# Altium PCB iWatch.PcbDoc
Units mm, origin at the board's own origin, x right, y up, seen from the top; angles counter-clockwise.
Board outline 35.25 x 34.75 mm, 2 copper layers (Top Layer, Bottom Layer), stack 1.071 mm thick; 50 components, 65 nets, 257 pads, 67 vias.
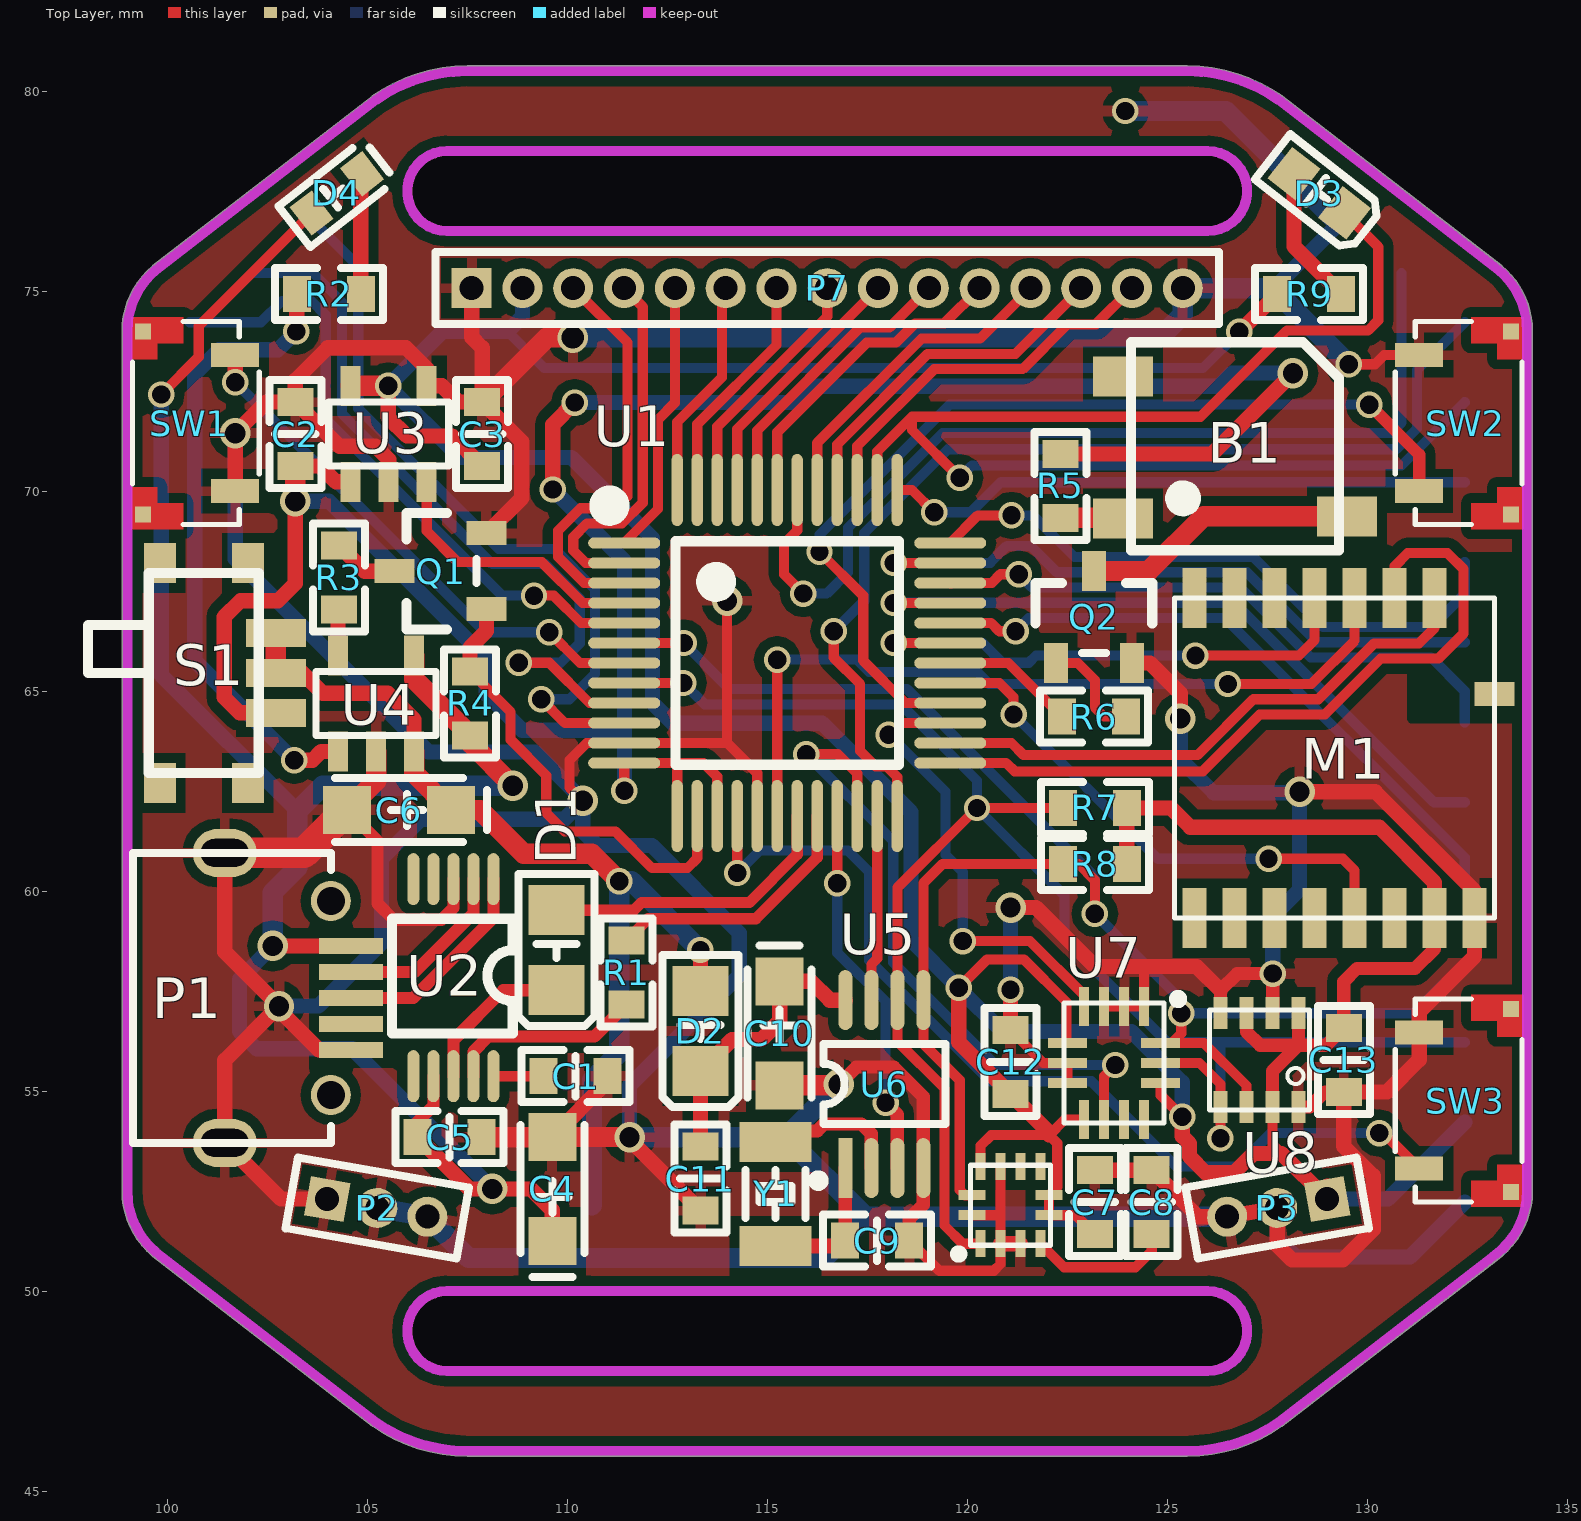
[diagram p0: Top Layer view]
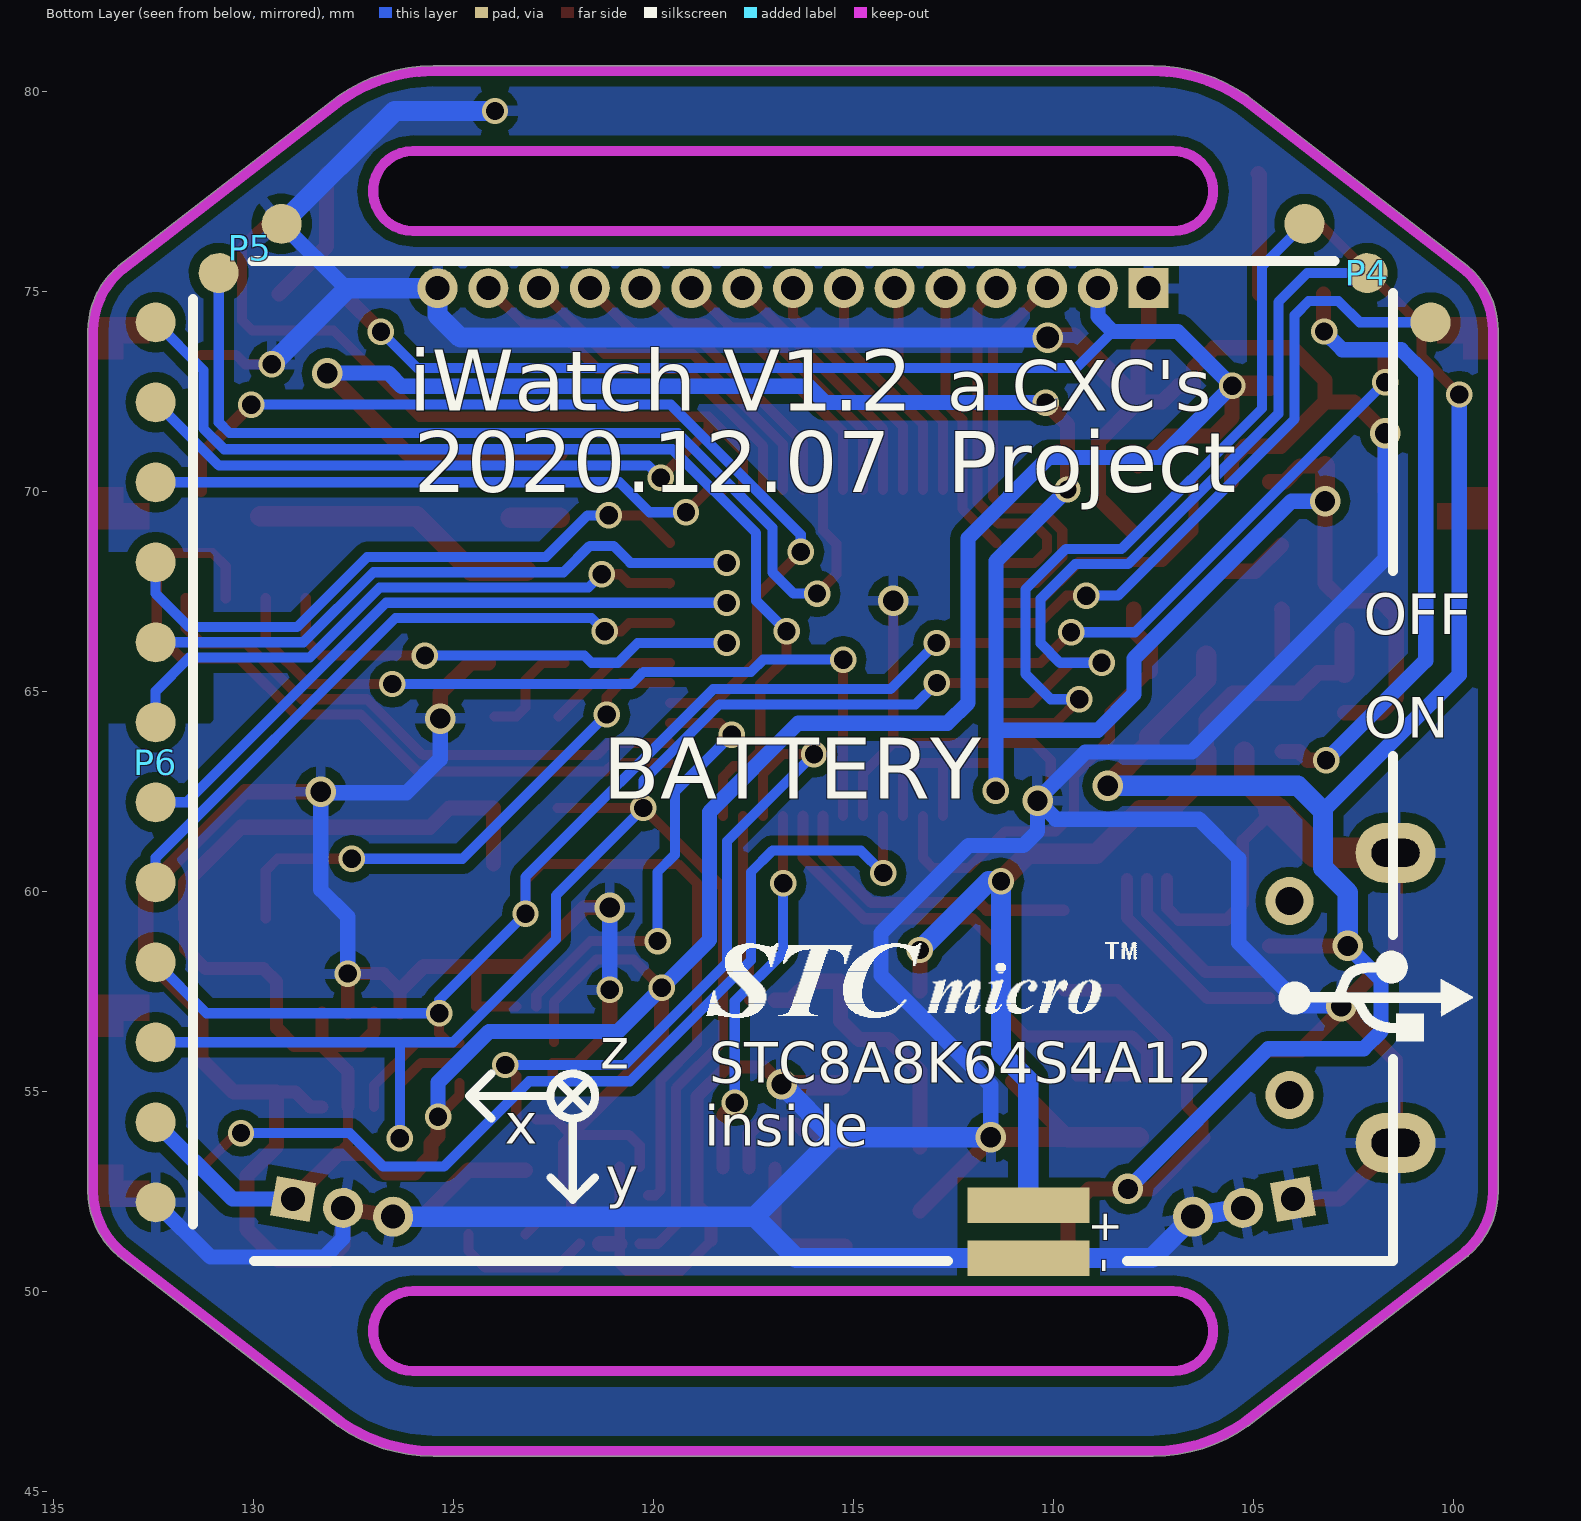
[diagram p1: Bottom Layer view, seen from below]
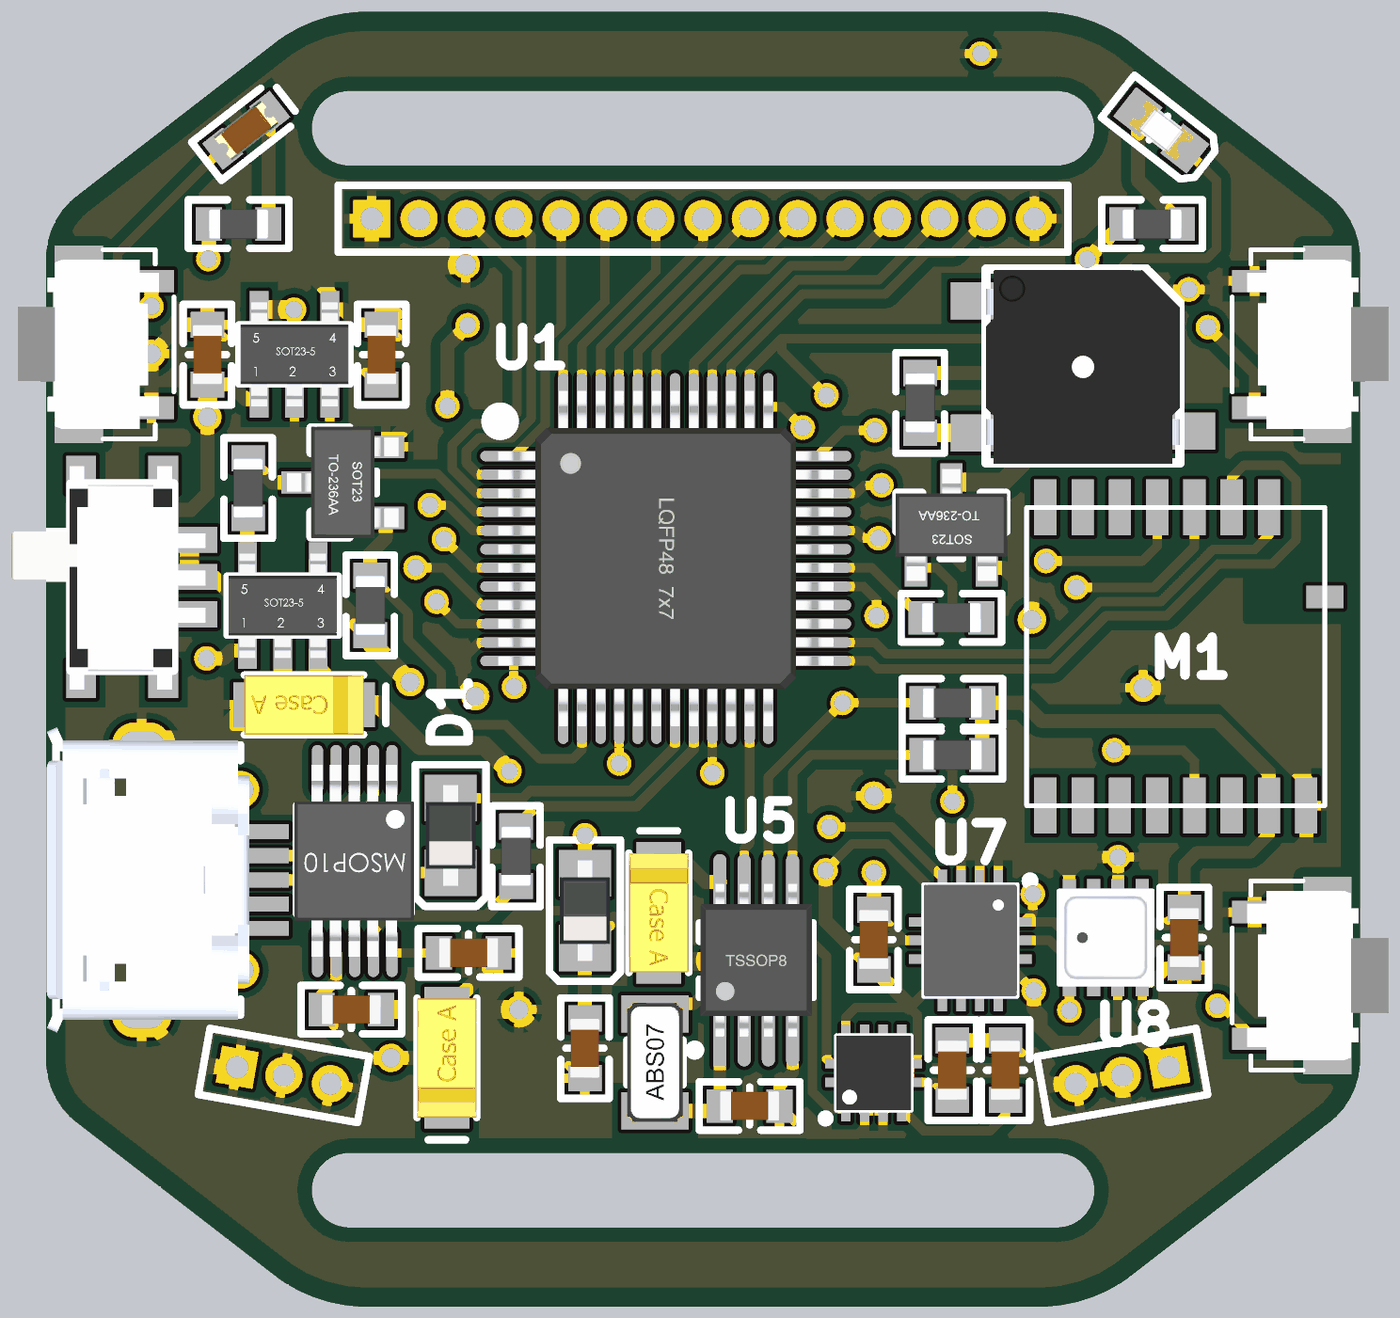
[diagram p2: 3D render of the assembled board from above, using the file's embedded part models]

## Layer stack, top to bottom
Top Solder: solder mask 0.0102, Solder Resist, Dk 3.5
Top Layer: signal copper 0.0356
Dielectric 1: dielectric 1, FR-4, Dk 4.8
Bottom Layer: signal copper 0.0356
Bottom Solder: solder mask 0.0102, Solder Resist, Dk 3.5

## Board outline
99.627,50.875 cw(c101,52.5) 98.873,52.5 98.873,74 cw(c101,74) 99.628,75.626 cw(c99.714,75.532) 99.636,75.632 105.128,79.877 105.128,79.878 cw(c105.206,79.777) 105.133,79.881 cw(c107.5,76.5) 107.5,80.627 125.5,80.627 cw(c125.5,76.5) 127.867,79.881 cw(c127.794,79.777) 127.875,79.875 133.363,75.633 cw(c133.286,75.532) 133.364,75.633 133.363,75.633 133.364,75.633 cw(c133.286,75.532) 133.367,75.63 cw(c132,74) 134.127,74 134.127,52.5 cw(c132,52.5) 133.373,50.875 cw(c133.286,50.968) 133.364,50.867 133.362,50.865 cw(c132,52.5) 133.239,50.77 127.872,46.622 cw(c127.794,46.723) 127.862,46.615 cw(c125.5,50) 125.5,45.873 107.5,45.873 cw(c107.5,50) 105.138,46.615 cw(c105.206,46.723) 105.128,46.622 99.636,50.867 cw(c99.714,50.968)
cut-out: 107,76.5 cw(c107,77.5) 107,78.5 126,78.5 cw(c126,77.5) 126,76.5
cut-out: 107,48 cw(c107,49) 107,50 126,50 cw(c126,49) 126,48

## Design rules (kind name [scope] priority, off if disabled: settings)
Clearance [All] p1: gap=0.254 except(0: SMDPad-Region; 0.127: Track-Track Track-SMDPad SMDPad-SMDPad)
ComponentClearance [All] p1 off: gap=0.254 collisioncheckmode=3 verticalgap=0.254 showdistances=FALSE
PolygonConnect [All] p1: connectstyle=Relief reliefconductorwidth=0.254 reliefentries=4 polygonreliefangle="90 Angle" airgapwidth=0.254
RoutingVias [All] p1: holewidth=0.711 width=1.27 viastyle="Through Hole" minholewidth=0.711 minwidth=1.27 maxholewidth=0.711 maxwidth=1.27
SolderMaskExpansion [All] p1: expansion=0.102
Width [All] p1: maxlimit=0.762 minlimit=0.254 preferedwidth=0.381
29 further rules are at their usual default settings.

## Components (designator, comment, footprint, x,y, rotation, side; value= is the part's Value field where it differs from the comment)
B1 "Buzzer" 蜂鸣器5020 126.695,71.12 r0 top
C1 "0.1uF" C-0603-M 110.211,55.372 r0 top
C2 "1uF" C-0603-M 103.2,71.425 r90 top
C3 "1uF" C-0603-M 107.874,71.425 r90 top
C4 "47uF" C-钽电容-3216-N 109.626,52.553 r270 top
C5 "0.1uF" C-0603-M 107.061,53.848 r0 top
C6 "10uF" C-钽电容-3216-N 105.791,62.027 r0 top
C7 "1uF" C-0603-M 123.19,52.222 r90 top
C8 "0.1uF" C-0603-M 124.612,52.222 r90 top
C9 "15pF" C-0603-M 117.75,51.262 r0 top
C10 "1uF" C-钽电容-3216-N 115.311,56.443 r90 top
C11 "0.1uF" C-0603-M 113.33,52.811 r270 top
C12 "0.1uF" C-0603-M 121.082,55.728 r90 top
C13 "0.1uF" C-0603-M 129.413,55.778 r270 top
D1 "1N4148" SOD-323/0805 109.728,58.522 r90 top
D2 "1N4148" SOD-323/0805 113.33,56.504 r90 top
D3 "LED" LED-0603-white-M 128.798,77.445 r142 top
D4 "LED" LED-0603-Red-N 104.242,77.445 r218 top
M1 "RF-BM-4044B4" RF-BM-4044B4 129.184,63.322 r0 top
P1 "MICRO USB" MICRO-USB-牛角插板-无卷边 104.089,57.328 r90 top
P2 "MHDR1X3" MHDR1X3 104,52.3 r350 top
P3 "MHDR1X3" MHDR1X3 129,52.3 r190 top
P4 "MHDR1X3" MHDR1X3-SMT-2mm 100.564,74.219 r38 bottom
P5 "MHDR1X2" MHDR1X2-SMT-2mm 130.86,75.45 r142 bottom
P6 "MHDR1X12" MHDR1X12-SMT-2MM 132.436,74.219 r270 bottom
P7 "MHDR1X15" MHDR1X15 107.61,75.073 r0 top
Q1 "NMOS" SOT-23 106.832,67.996 r0 top
Q2 "NPN" SOT-23 123.165,66.853 r270 top
R1 "0" R-0603-M 111.481,57.963 r90 top
R2 "1k" R-0603-M 104.038,74.93 r180 top
R3 "2k" R-0603-M 104.292,67.843 r270 top
R4 "4.7k" R-0603-M 107.569,64.694 r270 top
R5 "22" R-0603-M 122.326,70.129 r90 top
R6 "1k" R-0603-M 123.165,64.364 r0 top
R7 "2k" R-0603-M 123.19,62.078 r0 top
R8 "2k" R-0603-M 123.19,60.681 r0 top
R9 "330" R-0603-M 128.549,74.93 r180 top
S1 "SS-12F23" "MK-12C02 - no though hole" 100.914,65.456 r270 top
SW1 "TSW" "SB-2*4*3.5 - no hole" 100.4,71.7 r90 top
SW2 "TSW" "SB-2*4*3.5 - no hole" 132.6,71.7 r270 top
SW3 "TSW" "SB-2*4*3.5 - no hole" 132.6,54.762 r270 top
U1 "STC8A8K64S4A12_LQFP48" "LQFP48 7X7_N" 115.499,65.952 r270 top
U2 "CH340E" MSOP10 108.155,60.3 r270 top
U3 "TPS78233" SOT23-5 104.587,70.231 r0 top
U4 "XT4054" SOT23-5 104.272,63.488 r0 top
U5 "LIS3MDL" LGA-12LD 121.082,52.146 r90 top
U6 "PCF8563" TSSOP8_M 117.928,55.173 r90 top
U7 "LSM6DSM" LGA-14L 123.673,55.702 r270 top
U8 "BME280" LGA-8 127.305,55.778 r270 top
Y1 "32.768khz" FC135 115.21,52.43 r90 top

## Footprints (in the part's own frame and the unit in brackets; to place one, negate y for a bottom-side part, rotate by r counter-clockwise, add the part's x,y. Pads: shape width x height; smd on the part's side, far side on the other; paste and mask are expansions set on the pad)
C-0603-M [mm]
  rect 0.7x0.9 smd: 1(-0.8,0) 2(0.8,0)
  silkscreen extent -1.35,-0.65 1.35,0.65, body extent -0.8,-0.4 0.8,0.4, height 0.6
C-钽电容-3216-N [mm]
  rect 1.2x1.2 smd: 1(1.3,0) 2(-1.3,0)
  silkscreen extent -1.6,-0.8 2.2,0.8, body extent -1.6,-0.8 1.6,0.8, height 1.61
FC135 [mm] "贴片晶振"
  rect 1x1.8 smd: 1(-1.3,0) 2(1.3,0)
  silkscreen extent -0.6,-0.75 0.6,0.75, body extent -1.61,-0.76 1.61,0.76, height 1.01
LED-0603-Red-N [mm]
  rect 0.7x0.9 smd: 1(0.8,0) 2(-0.8,0)
  silkscreen extent -1.35,-0.65 1.35,0.65, body extent -0.81,-0.4 0.81,0.4, height 0.6
LED-0603-white-M [mm]
  rect 0.9x1 smd: 1(0.8,0) 2(-0.8,0)
  silkscreen extent -1.48,-0.72 1.48,0.72, body extent -0.8,-0.4 0.8,0.4, height 0.6
LGA-8 [mm] "2.5mm x 2.5mm x 0.93mm metal lid LGA"
  rect 0.8x0.35 smd: 1(1.175,0.975) 2(1.175,0.325) 3(1.175,-0.325) 4(1.175,-0.975) 5(-1.175,-0.975) 6(-1.175,-0.325) 7(-1.175,0.325) 8(-1.175,0.975)
  silkscreen extent -1.25,-1.25 1.25,1.25, body extent -1.25,-1.25 1.25,1.25, height 0.93
LGA-12LD [mm] "VFLGA 2x2x1 12LD"
  rect 0.675x0.25 smd: 1(-0.962,0.75) 2(-0.962,0.25) 3(-0.962,-0.25) 4(-0.962,-0.75) 7(0.962,-0.75) 8(0.962,-0.25) 9(0.962,0.25) 10(0.962,0.75)
  rect 0.25x0.675 smd: 5(-0.25,-0.962) 6(0.25,-0.962) 11(0.25,0.962) 12(-0.25,0.962)
  silkscreen extent -1.31,-1 1,1.39, body extent -1,-1 1,1, height 1
LGA-14L [mm] "2.5mm x 3.0mm x 0.86mm"
  rect 0.975x0.25 smd: 1(-1.412,0.75) 2(-1.412,0.25) 3(-1.412,-0.25) 4(-1.412,-0.75) 8(1.412,-0.75) 9(1.412,-0.25) 10(1.412,0.25) 11(1.412,0.75)
  rect 0.25x0.975 smd: 5(-0.5,-1.163) 6(0,-1.163) 7(0.5,-1.163) 12(0.5,1.163) 13(0,1.163) 14(-0.5,1.163)
  silkscreen extent -1.7,-1.25 1.5,1.7, body extent -1.5,-1.25 1.5,1.25, height 0.91
"LQFP48 7X7_N" [mm] "48脚，体宽7x7mm，脚距0.5mm"
  oval 0.279x1.8 smd: 1(-2.75,-4.075) 2(-2.25,-4.075) 3(-1.75,-4.075) 4(-1.25,-4.075) 5(-0.75,-4.075) 6(-0.25,-4.075) 7(0.25,-4.075) 8(0.75,-4.075) 9(1.25,-4.075) 10(1.75,-4.075) 11(2.25,-4.075) 12(2.75,-4.075) 25(2.75,4.075) 26(2.25,4.075) 27(1.75,4.075) 28(1.25,4.075) 29(0.75,4.075) 30(0.25,4.075) 31(-0.25,4.075) 32(-0.75,4.075) 33(-1.25,4.075) 34(-1.75,4.075) 35(-2.25,4.075) 36(-2.75,4.075)
  oval 1.8x0.279 smd: 13(4.075,-2.75) 14(4.075,-2.25) 15(4.075,-1.75) 16(4.075,-1.25) 17(4.075,-0.75) 18(4.075,-0.25) 19(4.075,0.25) 20(4.075,0.75) 21(4.075,1.25) 22(4.075,1.75) 23(4.075,2.25) 24(4.075,2.75) 37(-4.075,2.75) 38(-4.075,2.25) 39(-4.075,1.75) 40(-4.075,1.25) 41(-4.075,0.75) 42(-4.075,0.25) 43(-4.075,-0.25) 44(-4.075,-0.75) 45(-4.075,-1.25) 46(-4.075,-1.75) 47(-4.075,-2.25) 48(-4.075,-2.75)
  silkscreen extent -3.93,-4.69 2.79,2.79, body extent -4.5,-4.5 4.5,4.5, height 1.45
MHDR1X2-SMT-2mm [mm] "Connector; Header; 2 Position"
  round 1 smd: 1(0,0) 2(2,0)
MHDR1X3 [mm] "Connector; Header; 3 Position"
  rect 1x1 hole 0.6: 1(0,0)
  round 1 hole 0.6: 2(1.27,0) 3(2.54,0)
  silkscreen extent -0.9,-0.9 3.44,0.9
MHDR1X3-SMT-2mm [mm] "Connector; Header; 3 Position"
  round 1 smd: 1(0,0) 2(2,0) 3(4,0)
MHDR1X12-SMT-2MM [mm] "Connector; Header; 12 Position"
  round 1 smd: 1(0,0) 2(2,0) 3(4,0) 4(6,0) 5(8,0) 6(10,0) 7(12,0) 8(14,0) 9(16,0) 10(18,0) 11(20,0) 12(22,0)
MHDR1X15 [mm] "Connector; Header; 15 Position"
  rect 1x1 hole 0.6: 1(0,0)
  round 1 hole 0.6: 2(1.27,0) 3(2.54,0) 4(3.81,0) 5(5.08,0) 6(6.35,0) 7(7.62,0) 8(8.89,0) 9(10.16,0) 10(11.43,0) 11(12.7,0) 12(13.97,0) 13(15.24,0) 14(16.51,0) 15(17.78,0)
  silkscreen extent -0.9,-0.9 18.68,0.9
MICRO-USB-牛角插板-无卷边 [mm]
  rect 0.4x1.6 smd: 1(1.3,-0.5) 2(0.65,-0.5) 3(0,-0.5) 4(-0.65,-0.5) 5(-1.3,-0.5)
  oval 1.2x1.6 / inner oval 1.5x2 / far side oval 1.5x2 hole 0.7 slot 1.2 at 90 deg: 6(-3.625,2.65) 6(3.625,2.65)
  round 1 / inner round 1 / far side round 1.2 hole 0.7: 6(-2.425,0) 6(2.425,0)
  silkscreen extent -3.62,0 3.62,4.95, body extent -4.1,-0.23 4.1,5.2, height 2.68
"MK-12C02 - no though hole" [mm] "七脚小拨动开关"
  rect 1x0.8 smd: 0(-2.75,1.1) 0(-2.75,-1.1) 0(2.75,1.1) 0(2.75,-1.1)
  rect 0.7x1.5 smd: 1(1,1.8) 2(0,1.8) 3(-1,1.8)
  silkscreen extent -2.5,-2.9 2.5,1.38, body extent -2.97,-2.96 3.03,2.24, height 1.4
MSOP10 [mm] "VSOP8"
  oval 1.3x0.3 smd: 1(0,0) 2(0,-0.5) 3(0,-1) 4(0,-1.5) 5(0,-2) 6(4.928,-2) 7(4.928,-1.5) 8(4.928,-1) 9(4.928,-0.5) 10(4.928,0)
  silkscreen extent 0.99,-2.54 3.86,0.48, body extent -0.11,-2.62 5.04,0.58, height 1.09
R-0603-M [mm]
  rect 0.7x0.9 smd: 1(-0.8,0) 2(0.8,0)
  silkscreen extent -1.35,-0.65 1.35,0.65, body extent -0.8,-0.4 0.8,0.4, height 0.38
RF-BM-4044B4 [mm] "低功耗蓝牙(BLE)射频模块"
  rect 0.6x1.5 smd: 1(2.5,4) 2(1.5,4) 3(0.5,4) 4(-0.5,4) 5(-1.5,4) 6(-2.5,4) 7(-3.5,4) 8(-3.5,-4) 9(-2.5,-4) 10(-1.5,-4) 11(-0.5,-4) 12(0.5,-4) 13(1.5,-4) 14(2.5,-4) 15(3.5,-4)
  rect 1x0.6 smd: 16(4,1.6)
  silkscreen extent -4,-4 4,4
"SB-2*4*3.5 - no hole" [mm] "贴片侧贴轻触开关"
  rect 0.4x0.4 smd: 0(-2.286,1) 0(2.286,1)
  rect 0.6x1.2 smd: 1(-1.7,-1.3) 2(1.7,-1.3)
  Top Layer region: -2.65,0 -2.65,1.3 -1.6,1.3 -1.6,0.65 -2,0.65 -2,0
  Top Layer region: 2.65,0 2.65,1.3 1.6,1.3 1.6,0.65 2,0.65 2,0
  silkscreen extent -2.54,-1.9 2.54,1.27, body extent -2.27,-1.5 2.27,2.29, height 1.8
SOD-323/0805 [mm]
  rect 1.25x1.4 smd: 1(1,0) 2(-1,0)
  silkscreen extent -1.9,-0.95 1.9,0.95, body extent -1.35,-0.68 1.35,0.67, height 0.79
SOT23-5 [mm]
  rect 0.5x1 smd: 1(0,0) 2(0.95,0) 3(1.9,0) 4(1.9,2.4) 5(0,2.4)
  silkscreen extent -0.55,0.4 2.45,2, body extent -0.5,-0.2 2.4,2.6, height 1.09
SOT-23 [mm]
  rect 1x0.6 smd: 1(1.15,-0.95) 2(1.15,0.95) 3(-1.15,0)
  silkscreen extent -0.85,-1.46 0.9,1.46, body extent -1.5,-1.5 1.5,1.5, height 1.3
TSSOP8_M [mm] "3*4.2*1mm（长宽高）"
  rect 1.5x0.35 smd: 1(-2.1,0.975)
  oval 1.5x0.35 smd: 2(-2.1,0.325) 3(-2.1,-0.325) 4(-2.1,-0.975) 5(2.1,-0.975) 6(2.1,-0.325) 7(2.1,0.325) 8(2.1,0.975)
  silkscreen extent -2.54,-1.52 1,1.78, body extent -2.05,-1.5 2.05,1.5, height 1.03
蜂鸣器5020 [mm] "无源蜂鸣器"
  rect 1.5x1 smd: 1(-2.8,-1.8) 2(2.8,-1.75) 3(-2.8,1.75)
  silkscreen extent -2.6,-2.6 2.6,2.6, body extent -2.6,-2.63 2.6,2.57, height 2

## Part data
B1: "蜂鸣器"
C1 C2 C3 C5 C7 C8 C9 C11 C12 C13: library part Cap, "陶瓷电容"
C4 C6 C10: library part Cap2, "电解电容"
D1 D2: "高速开关二极管"
D3 D4: "Typical RED, GREEN, YELLOW, AMBER GaAs LED"
M1: "基于TI公司 CC2640R2F 芯片的低功耗蓝牙(BLE)射频模块"
P1: library part MICRO_USB, "MICRO USB接口"
P2 P3 P4: "Header, 3-Pin"
P5: "Header, 2-Pin"
P6: "Header, 12-Pin"
P7: "Header, 15-Pin"
Q1: "N沟道场效应管"
Q2: "NPN Bipolar Transistor"
R1 R2 R3 R4 R5 R6 R7 R8 R9: library part Resistor, "Resistor"
S1: library part SSW-1P, "1路波动开关"
SW1 SW2 SW3: "3x6轻触开关"
U2: "USB转串口，免外部晶振，超小封装"
U3: "LDO-3.3v"
U4: "锂电池充电ic"
U5: "ultra-low-power high-performance three-axis magnetic sensor"
U6: library part PCF8563TS, "Real-Time Clock and calendar"
U7: "always-on 3D accelerometer and 3D gyroscope"
U8: "Combined humidity and pressure sensor"
Y1: library part XTAL, "Crystal Oscillator"

## Free pads (board coordinates)
  rect 3.048x0.889 smd far side: 2(110.617,50.825) 2(110.617,52.146)

## Via types
v1: diameter 0.66, hole 0.457, Top Layer to Bottom Layer, 52 vias
v2: diameter 0.762, hole 0.508, Top Layer to Bottom Layer, 14 vias
v3: diameter 0.762, hole 0.559, Top Layer to Bottom Layer, 1 vias

## Nets (pads, with @x,y where several pads share a name; then routed paths per layer and width w, separated by ;. In a path a pad name is that pad's centre, name@x,y a point inside that pad or via, vN(x,y) a via of type N, cw(c..) or ccw(c..) an arc to the next point about the centre after c; other vN are vias at no path point)
3V3: C3.1 C7.1 C12.1 C13.1 M1.14 P3.1 P6.11 P7.2 R7.2 R8.2 R9.2 U3.5 U5.5 U5.6 U5.10 U7.5 U7.8 U7.12 U8.2 U8.6 U8.8 | length 111.3
  Top Layer w0.254: v1(119.786,57.582) 120.498,58.293 121.412,58.293 122.48,57.225 U7.5@122.48,56.232 ; U5.10 120.332,53.631 120.599,53.899 122.047,53.899 ; U7.8 122.438,54.29 122.047,53.899 ; C7.1 122.716,51.896 U5.5 U5.6 122.25,52.602 122.25,53.696 122.047,53.899 ; U7.12 124.836,54.895 v1(125.374,54.356) ; U8.2 127.63,53.67 127.858,53.442
  Top Layer w0.33: U8.6 126.98,56.484 127.32,56.144 128.28,56.144 ; U8.2 127.63,55.494 128.28,56.144 ; U8.8 128.28,56.144 ; M1.14 131.684,58.558 131.191,58.064 129.743,58.064 129.413,57.734 C13.1 128.978,56.144 128.28,56.144
  Top Layer w0.381: v1(105.524,72.631) 105.524,71.844 105.994,71.374 107.125,71.374 C3.1 ; v1(119.786,57.582) 119.786,56.223 C12.1 122.047,53.962 122.047,53.899 ; R8.2 R7.2 125.095,62.078 125.578,61.595 130.302,61.595 131.684,60.213 M1.14 ; v1(125.374,54.356) 125.374,53.873 125.555,53.693 125.555,53.362 125.959,52.959 126.67,52.959 127.152,53.442 127.858,53.442 P3.1 P3.1@129,52.625 ; v1(126.803,73.984) R9.2
  Top Layer w0.508: U3.5 v1(105.524,72.631)
  Bottom Layer w0.254: 108.509,73.99 109.423,73.076 125.895,73.076 v1(126.803,73.984)
  Bottom Layer w0.381: P7.2 108.88,74.361 108.509,73.99 106.883,73.99 v1(105.524,72.631) 107.315,70.84 110.109,70.84 112.129,68.821 112.129,64.706 112.636,64.198 116.37,64.198 118.593,61.976 118.593,58.776 v1(119.786,57.582) 120.879,56.49 124.104,56.49 125.374,55.22 v1(125.374,54.356) ; P3.1 130.517,52.3 P6.11
3V3-EN: U1.4 U3.3 | length 6.9
  Top Layer w0.254: U3.3 106.487,69.002 107.264,68.224 109.362,68.224 110.384,67.202 U1.4
BUZZER: R6.1 U1.30 | length 3.3
  Top Layer w0.254: U1.30 121.026,65.702 R6.1
CHARGE-EN: Q1.1 R4.1 U1.14 | length 11.6
  Top Layer w0.254: R4.1 108.585,64.478 108.585,63.779 109.474,62.89 109.474,61.951 109.931,61.493 111.201,61.493 112.116,60.579 113.005,60.579 113.249,60.824 U1.14
  Top Layer w0.381: R4.1 107.569,66.091 107.982,66.504 Q1.1
D0: P7.14 U1.39 | length 9.6
  Top Layer w0.254: U1.39 117.249,71.127 119.171,73.049 121.385,73.049 122.504,74.168 123.215,74.168 P7.14
D1: P7.13 U1.40 | length 8.9
  Top Layer w0.254: U1.40 116.749,71.166 119.013,73.43 121.207,73.43 P7.13
D2: P7.12 U1.41 | length 8.1
  Top Layer w0.254: U1.41 116.249,71.205 118.856,73.811 120.318,73.811 P7.12
D3: P7.11 U1.43 | length 8
  Top Layer w0.254: U1.43 115.249,71.475 117.485,73.711 118.217,73.711 118.698,74.192 119.429,74.192 P7.11
D4: P7.10 U1.44 | length 7.3
  Top Layer w0.254: U1.44 114.749,71.513 117.328,74.092 118.059,74.092 P7.10
D5: P7.9 U1.45 | length 6.5
  Top Layer w0.254: U1.45 114.249,71.552 P7.9
D6: P7.8 U1.46 | length 6.2
  Top Layer w0.254: U1.46 113.749,71.611 116.5,74.361 P7.8
D7: P7.7 U1.47 | length 5.9
  Top Layer w0.254: U1.47 113.249,71.669 115.23,73.65 P7.7
D/C\: P7.4 U1.2 | length 9.4
  Top Layer w0.254: P7.4 111.887,74.606 111.887,69.708 111.368,69.19 110.49,69.19 110.15,68.85 110.15,68.514 110.461,68.202 U1.2
E/R\D\: P7.6 U1.48 | length 5.4
  Top Layer w0.254: U1.48 112.749,71.728 113.868,72.847 P7.6@113.868,74.93
E\N\: M1.12 U1.29 | length 13.5
  Top Layer w0.254: U1.29 120.802,65.202 121.158,64.846 v1(121.158,64.414) ; v1(127.533,60.808) 129.388,60.808 129.684,60.511 M1.12
  Bottom Layer w0.254: v1(121.158,64.414) 124.765,60.808 v1(127.533,60.808)
GND: C1.2 C2.2 C3.2 C4.2 C5.2 C6.2 C7.2 C8.2 C9.2 C10.2 C11.2 C12.2 C13.2 M1.15 P1.5 P1.6@101.439,53.703 P1.6@101.439,60.953 P2.1 P2.2 P2.3 P3.2 P3.3 P5.2 P6.12 P7.1 P7.15 pad.2@110.617,50.825 Q1.2 Q2.2 SW1.1 SW2.1 SW3.1 U1.11 U1.17 U2.3 U3.2 U3.4 U4.2 U5.2 U5.3 U5.9 U5.12 U6.4 U7.1 U7.2 U7.3 U7.6 U7.7 U8.1 U8.5 U8.7 | length 241.1
  Top Layer w0.254: v2(110.388,62.255) 110.058,62.586 110.058,63.271 110.489,63.702 U1.11 113.996,63.702 ; v2(113.996,67.259) 113.996,63.702 ; U1.17 114.749,62.949 113.996,63.702 ; C9.2 119.303,50.508 120.663,50.508 120.832,50.677 U5.2 120.832,51.896 ; U5.12 120.832,51.896 ; U5.9 120.832,51.896 ; C12.2 121.907,55.702 U7.6 U7.7 ; U7.3 U7.2 U7.1 124.423,58.115 ; v1(129.534,73.172) 130.195,73.172 130.423,73.4 SW2.1
  Top Layer w0.305: C6.2 105.258,61.26 105.258,59.69 105.664,59.284 106.858,59.284 107.155,59.58 U2.3
  Top Layer w0.33: v2@116.764,55.143 v2(116.789,55.169) 117.221,55.601 118.161,55.601 118.903,54.859 U6.4 118.903,52.161 118.55,51.808 C9.2 ; U8.5 126.33,57.521 126.746,57.937 v1(127.635,57.937) U8.7@127.635,56.959 ; U8.1 128.568,54.603 128.943,54.978 C13.2
  Top Layer w0.381: P1.6@101.439,60.953 101.439,58.479 v2(102.794,57.125) ; SW1.1 v2(101.7,71.449) 102.476,72.225 C2.2 ; P2.1 102.842,52.3 101.439,53.703 101.439,55.77 v2(102.794,57.125) ; P1.5 103.79,56.028 102.794,57.024 v2(102.794,57.125) ; U3.2 105.537,70.79 105.207,71.12 104.305,71.12 C2.2 ; P7.1 107.61,73.848 107.874,73.584 C3.2 ; Q1.2 108.864,69.828 108.864,71.234 C3.2 ; C4.2@109.622,53.848 C4.2 C1.2@111.011,55.237 ; v2@111.557,53.785 C11.2 ; U5.2 U5.3 ; C12.2 v1(121.082,57.531) ; v2(121.082,59.588) 121.717,59.588 123.19,58.115 124.423,58.115 125.736,58.115 126.33,57.521 ; C7.2 C8.2 125.776,51.859 P3.3 P3.2 127.749,51.143 128.118,50.775 129.388,50.775 130.15,51.537 130.15,52.883 129.413,53.619 C13.2 130.493,54.978 131.3,55.786 SW3.1 131.3,56.98 132.684,58.364 M1.15 132.684,60 130.2,62.484 v2(128.308,62.484) ; Q2.2 124.569,65.703 125.324,64.948 v2(125.324,64.313) ; C2.2 103.2,72.771 104.013,73.584 105.969,73.584 106.487,73.066 U3.4 106.871,72.631 107.277,72.225 C3.2
  Top Layer w0.508: C6.2 105.222,62.758 U4.2 ; C5.2 C4.2@109.622,53.848 ; C3.2 109.487,73.838 v3(110.134,73.838) ; C4.2 v2@111.557,53.853 ; C10.2 v2@116.764,55.143
  Top Layer w0.762: P1.6@101.439,60.953 103.417,60.953 C6.2
  Bottom Layer w0.381: v2(101.7,71.449) 101.7,68.302 106.528,63.475 109.194,63.475 110.388,62.28 v2(110.388,62.255) ; v2(102.794,57.125) 103.784,57.125 105.359,58.699 105.359,60.808 106.35,61.798 109.931,61.798 v2(110.388,62.255) ; v2(111.557,53.848) 111.557,55.143 114.3,57.887 114.3,58.953 112.116,61.138 110.744,61.138 110.388,61.493 v2(110.388,62.255) ; v1(121.082,57.531) v2(121.082,59.588) ; v2(125.324,64.313) 125.324,63.297 126.162,62.459 128.283,62.459 v2(128.308,62.484) 128.308,60.033 127.635,59.36 v1(127.635,57.937) ; 127.633,75.073 127.676,75.073 P5.2 ; P3.2 127.749,51.321 128.219,50.851 131.068,50.851 P6.12
  Bottom Layer w0.508: P2.2 P2.3 107.535,50.825 110.617,50.825 116.424,50.825 117.457,51.859 ; v3(110.134,73.838) 124.816,73.838 125.39,74.412 P7.15 127.633,75.073 v1(129.534,73.172) ; v2(111.557,53.848) 115.468,53.848 ; v2(116.789,55.169) 115.468,53.848 ; v1(123.952,79.502) 126.463,79.502 P5.2 ; P3.3 117.457,51.859 ; 115.468,53.848 117.457,51.859
INT0: U1.21 U6.3 | length 9.5
  Top Layer w0.254: v1(116.749,60.198) U1.21
  Top Layer w0.33: v1@117.958,54.635 v1(117.958,54.712) 118.253,54.417 U6.3
  Bottom Layer w0.254: v1(116.749,60.198) 116.749,58.46 117.958,57.252 v1(117.958,54.712)
INT1: U1.22 U7.9 | length 16.7
  Top Layer w0.254: v1(115.976,63.424) 116.764,63.424 117.249,62.938 U1.22 ; U7.9 123.423,55.376 v1(123.698,55.651)
  Bottom Layer w0.254: v1(115.976,63.424) 118.148,61.252 118.148,58.214 120.711,55.651 v1(123.698,55.651)
INT2: U1.27 U7.4 | length 11.5
  Top Layer w0.254: v1(118.034,63.906) 118.33,64.202 U1.27 ; v1(119.888,58.75) 121.564,58.75 122.923,57.392 U7.4
  Bottom Layer w0.254: v1(118.034,63.906) 119.456,62.484 119.456,60.909 119.888,60.477 v1(119.888,58.75)
KEY1: SW1.2 U1.7 | length 13.3
  Top Layer w0.254: v1(109.55,66.472) 110.32,65.702 U1.7
  Top Layer w0.381: v1(101.7,72.722) SW1.2
  Bottom Layer w0.254: v1(101.7,72.722) 107.95,66.472 v1(109.55,66.472)
KEY2: SW2.2 U1.28 | length 24
  Top Layer w0.254: v1(116.307,68.478) 117.399,67.386 117.399,65.761 118.457,64.702 U1.28
  Top Layer w0.305: v1(130.048,72.161) 131.3,70.909 SW2.2
  Bottom Layer w0.254: v1(116.307,68.478) 116.307,68.911 119.557,72.161 v1(130.048,72.161)
KEY3: SW3.2 U1.16 | length 24
  Top Layer w0.254: v1(114.249,60.452) U1.16 ; v1(130.302,53.95) 130.413,53.95 SW3.2
  Bottom Layer w0.254: v1(114.249,60.452) 114.808,61.011 117.018,61.011 117.551,60.477 117.551,58.272 120.579,55.245 123.099,55.245 125.232,53.111 126.746,53.111 127.584,53.95 v1(130.302,53.95)
NetB1_1: B1.1 R5.1 | length 1.2
  Top Layer w0.381: B1.1@123.561,69.329 B1.1@123.57,69.32
  Top Layer w0.508: R5.1 B1.1@123.561,69.329
NetB1_2: B1.2 Q2.3 | length 7.2
  Top Layer w0.508: Q2.3 124.543,68.003 125.91,69.37 B1.2 B1.2@129.82,69.37
NetC1_1: C1.1 U2.10 | length 1.3
  Top Layer w0.254: U2.10 C1.1
NetC8_1: C8.1 U5.4 | length 3.6
  Top Layer w0.254: U5.4 122.419,50.597 124.206,50.597 124.612,51.003 C8.1
NetC9_1: C9.1 U6.1 Y1.1 | length 3.6
  Top Layer w0.33: C9.1@116.953,51.265 U6.1
  Top Layer w0.381: Y1.1 116.818,51.13 C9.1 C9.1@116.953,51.265
NetC10_1: C10.1 C11.1 D2.2 U6.8 | length 7.2
  Top Layer w0.381: C11.1 D2.2 114.118,56.291 114.854,56.291 115.311,56.748 C10.1 116.094,57.743 116.564,57.273 U6.8
NetD3_1: D3.1 R9.1 | length 3.5
  Top Layer w0.381: D3.1 128.168,76.112 R9.1
NetD4_2: D4.2 R2.1 | length 3
  Top Layer w0.381: R2.1 104.838,77.904 D4.2
NetP1_2: P1.2 U2.2 | length 4.5
  Top Layer w0.305: P1.2 106.187,57.978 107.655,59.445 U2.2
NetP1_3: P1.3 U2.1 | length 5.4
  Top Layer w0.305: P1.3 106.148,57.328 108.155,59.335 U2.1
NetQ1_3: Q1.3 R3.1 | length 1.7
  Top Layer w0.381: R3.1 104.94,67.996 Q1.3
NetQ2_1: Q2.1 R6.2 | length 2.7
  Top Layer w0.254: Q2.1 122.765,65.703 123.19,65.278 123.19,64.592 123.419,64.364 R6.2
NetR2_2: R2.2 U4.1 | length 15.8
  Top Layer w0.381: v1(103.175,63.271) 103.632,63.271 103.848,63.488 U4.1 ; v1@103.238,74.003 R2.2
  Bottom Layer w0.381: v1(103.175,63.271) 100.686,65.761 100.686,72.923 101.295,73.533 102.768,73.533 v1(103.226,73.99)
NetR3_2: R3.2 U4.5 | length 1.2
  Top Layer w0.381: U4.5 104.272,67.023 R3.2
NetU6_2: U6.2 Y1.2 | length 3.5
  Top Layer w0.33: Y1.2@115.794,54.005 116.251,54.005 116.424,54.178 117.355,54.178 117.603,53.931 U6.2
  Top Layer w0.381: Y1.2 Y1.2@115.849,53.73
P13: P4.1 U1.5 | length 15.9
  Top Layer w0.254: v1(109.169,67.386) 109.661,67.386 110.345,66.702 U1.5
  Bottom Layer w0.254: P4.1 102.337,74.219 102.87,74.752 103.607,74.752 103.962,74.397 103.962,71.8 108.376,67.386 v1(109.169,67.386)
P16: P4.2 U1.9 | length 19.1
  Top Layer w0.254: v1(108.788,65.71) 109.55,65.71 110.558,64.702 U1.9
  Bottom Layer w0.254: P4.2 103.645,75.45 104.369,74.727 104.369,71.933 108.128,68.174 109.449,68.174 110.312,67.31 110.312,66.192 109.83,65.71 v1(108.788,65.71)
P17: P4.3 U1.10 | length 18.9
  Top Layer w0.254: v1(109.347,64.795) 109.94,64.202 U1.10
  Bottom Layer w0.254: P4.3 104.775,75.623 104.775,72.065 108.286,68.555 109.677,68.555 110.693,67.539 110.693,65.43 110.058,64.795 v1(109.347,64.795)
P21: P6.8 U1.32 | length 16.2
  Top Layer w0.254: U1.32 120.597,66.702 120.802,66.497 v1(121.209,66.497)
  Bottom Layer w0.254: v1(121.209,66.497) 121.539,66.827 126.441,66.827 132.436,60.833 P6.8
P22: P6.7 U1.33 | length 17.8
  Top Layer w0.254: v1(118.161,67.202) U1.33
  Bottom Layer w0.254: v1(118.161,67.202) 118.167,67.208 126.675,67.208 131.665,62.219 P6.7
P23: P6.6 U1.34 | length 15
  Top Layer w0.254: U1.34@119.586,67.691 U1.34 120.611,67.702 120.828,67.92 v1(121.285,67.92)
  Bottom Layer w0.254: v1(121.285,67.92) 121.615,67.589 126.833,67.589 128.585,65.838 131.596,65.838 132.436,64.999 P6.6
P24: P6.5 U1.35 | length 16.9
  Top Layer w0.254: v1(118.161,68.202) U1.35
  Bottom Layer w0.254: v1(118.161,68.202) 120.574,68.202 120.574,68.214 120.99,68.631 121.58,68.631 122.24,67.97 126.991,67.97 128.742,66.219 P6.5
P25: P6.4 U1.36 | length 15.4
  Top Layer w0.254: U1.36 120.265,69.393 v1(121.107,69.393)
  Bottom Layer w0.254: v1(121.107,69.393) 121.641,69.393 122.682,68.351 127.149,68.351 128.9,66.6 131.598,66.6 132.436,67.437 P6.4
P26: P6.3 U1.37 | length 14.7
  Top Layer w0.254: U1.37 118.618,70.028 v1(119.177,69.469)
  Bottom Layer w0.254: v1(119.177,69.469) 120.091,69.469 120.841,70.219 P6.3
P27: D3.2 P6.2 U1.38 | length 33.3
  Top Layer w0.254: U1.38 117.749,70.988 118.618,71.857 ; v1(119.812,70.333) 118.618,71.526 118.618,71.857 ; D3.2 130.277,76.104 130.277,74.27 130.023,74.016 127.991,74.016 125.832,71.857 118.618,71.857
  Bottom Layer w0.254: v1(119.812,70.333) 120.117,70.637 130.854,70.637 P6.2
P35: P6.1 U1.24 | length 26.3
  Top Layer w0.254: v1(116.662,66.497) 116.662,65.837 117.323,65.176 117.323,63.5 117.704,63.119 117.983,63.119 118.249,62.853 U1.24
  Bottom Layer w0.254: v1(116.662,66.497) 117.424,67.259 117.424,68.951 119.517,71.044 130.722,71.044 131.242,71.564 131.242,73.025 P6.1
P40: M1.3 U1.18 | length 20.1
  Top Layer w0.254: U1.18 v1(115.249,65.786) ; v1(126.517,65.176) 128.6,65.176 129.684,66.261 M1.3
  Bottom Layer w0.254: v1(115.249,65.786) 117.246,65.786 117.551,65.481 120.244,65.481 120.548,65.176 v1(126.517,65.176)
P42: M1.4 U1.31 | length 13.4
  Top Layer w0.254: v1(118.161,66.202) U1.31 ; v1(125.705,65.888) 128.295,65.888 128.684,66.277 M1.4
  Bottom Layer w0.254: v1(118.161,66.202) 120.386,66.202 120.879,65.71 121.539,65.71 121.717,65.888 v1(125.705,65.888)
P43: P5.1 U1.42 | length 24
  Top Layer w0.254: U1.42 115.749,69.013 115.418,68.682 115.418,67.92 v1(115.9,67.437)
  Bottom Layer w0.254: v1(115.9,67.437) 116.484,67.437 117.018,67.97 117.018,69.083 119.385,71.45 130.589,71.45 130.86,71.721 P5.1
R/W\: P7.5 U1.1 | length 6.9
  Top Layer w0.254: U1.1@111.42,68.702 112.268,69.55 112.268,71.786 112.69,72.208 P7.5
R\E\S\: P7.3 U1.3 | length 10.4
  Top Layer w0.254: P7.3 111.506,73.717 111.506,69.866 111.211,69.571 110.332,69.571 109.769,69.007 109.769,68.356 110.422,67.702 U1.3
RX: D1.2 U2.8 | length 4
  Top Layer w0.305: U2.8 107.155,56.278 108.398,57.522 D1.2
RXD: D1.1 U1.19 | length 7.6
  Top Layer w0.279: D1.1 111.665,59.522 111.858,59.715 114.554,59.715 115.749,60.911 U1.19
RXD3: M1.2 U1.25 | length 18.8
  Top Layer w0.254: U1.25 120.973,63.202 121.183,62.992 125.888,62.992 127.31,64.414 128.936,64.414 130.333,65.811 131.775,65.811 132.41,66.446 132.41,68.047 132.004,68.453 131.013,68.453 130.684,68.124 M1.2
SCL: P6.10 R7.1 U1.8 U5.1 U6.6 U7.13 U8.4 | length 46.2
  Top Layer w0.254: U1.8 v1(112.904,65.202) ; U5.1 119.885,51.184 119.431,51.638 119.431,55.067 118.253,56.245 U6.6 118.253,60.087 v1(120.244,62.078) R7.1 ; U7.13 125.806,55.702 126.33,55.179 U8.4 v1(126.33,53.823)
  Bottom Layer w0.254: v1(112.904,65.202) 113.438,64.668 118.339,64.668 120.244,62.763 v1(120.244,62.078) 122.428,59.893 122.428,58.795 125.004,56.219 126.33,56.219 ; v1(126.33,53.823) 126.33,56.219 ; P6.10 126.33,56.219
SDA: P6.9 R8.1 U1.6 U5.11 U6.5 U7.14 U8.3 | length 44
  Top Layer w0.254: U1.6 v1(112.913,66.202) ; U5.11 119.943,52.396 119.812,52.527 119.812,55.27 118.903,56.18 U6.5 118.903,60.198 119.385,60.681 R8.1 122.784,60.681 123.19,60.274 v1(123.19,59.436) ; U7.14 U7.14@125.112,56.202 ; v1(125.349,56.947) 125.349,56.439 U7.14@125.112,56.202 ; U8.3 126.98,55.138 125.916,56.202 U7.14@125.112,56.202
  Bottom Layer w0.254: v1(112.913,66.202) 114.066,65.049 118.496,65.049 123.19,60.356 v1(123.19,59.436) 125.349,57.277 v1(125.349,56.947) 131.164,56.947 P6.9
T0: U1.23 U6.7 | length 4.7
  Top Layer w0.254: U6.7 117.603,58.167 117.749,58.313 U1.23
TX: R1.1 U2.9 | length 4.9
  Top Layer w0.305: U2.9 107.655,55.991 108.026,56.363 110.68,56.363 R1.1
TXD: R1.2 U1.20 | length 6.7
  Top Layer w0.279: R1.2 112.027,59.309 114.722,59.309 116.249,60.836 U1.20
TXD3: M1.1 U1.26 | length 14.3
  Top Layer w0.254: U1.26 121.108,63.702 121.412,63.398 125.755,63.398 127.152,64.795 128.778,64.795 130.175,66.192 131.293,66.192 131.684,66.584 M1.1
VBAT: C6.1 D2.1 pad.2@110.617,52.146 S1.2 S1.3 U4.3 | length 24.7
  Top Layer w0.381: S1.2 103.378,65.456 103.886,64.948 105.512,64.948 106.172,64.287 U4.3 ; D2.1 v1(113.33,58.526)
  Top Layer w0.508: S1.2 S1.3 ; U4.3 106.172,62.946 C6.1 107.823,62.027 108.915,60.935 110.617,60.935 v1(111.303,60.249)
  Bottom Layer w0.508: pad.2@110.617,52.146 110.617,55.27 111.303,55.956 v1(111.303,60.249) 111.608,60.249 v1(113.33,58.526)
VCC: C4.1 C5.1 D4.1 P1.1 R4.2 U2.7 U4.4 | length 50.4
  Top Layer w0.254: v1(99.847,72.415) 100.787,73.355 100.787,74.128 D4.1
  Top Layer w0.305: C5.1 106.261,54.242 106.655,54.635 U2.7
  Top Layer w0.381: v2(102.637,58.628) P1.1 ; C5.1 107.556,52.553 v2(108.128,52.553) 109.093,52.553 109.626,52.019 C4.1
  Top Layer w0.508: U4.4 106.172,65.291 R4.2 107.594,63.868 107.594,63.678 v2(108.636,62.636)
  Bottom Layer w0.381: v1(99.847,72.415) 99.847,65.405 103.251,62.001 ; v2(102.637,58.628) 101.803,57.794 101.803,56.49 102.235,56.058 104.623,56.058 v2(108.128,52.553)
  Bottom Layer w0.508: v2(102.637,58.628) 102.637,59.965 103.251,60.579 103.251,62.001 103.886,62.636 v2(108.636,62.636)
VDD: C2.1 R5.2 S1.1 U1.12 U1.13 U1.15 U3.1 | length 62.2
  Top Layer w0.254: v1@111.424,62.515 U1.12 112.749,63.202 ; U1.13 112.749,63.202 ; U1.15 113.749,62.857 113.404,63.202 112.749,63.202
  Top Layer w0.381: S1.1 101.813,64.456 101.422,64.846 101.422,66.853 101.829,67.259 102.768,67.259 103.2,67.691 v2(103.2,69.748) ; C2.1 103.822,70.625 104.216,70.231 U3.1 ; v1(109.639,70.04) 109.639,71.666 v1(110.185,72.212) ; R5.2 126.124,70.929 v2(128.143,72.949)
  Top Layer w0.508: v2(103.2,69.748) C2.1
  Bottom Layer w0.381: v2(103.2,69.748) 104.038,69.748 107.975,65.811 107.975,64.922 108.877,64.021 111.424,64.021 ; v1(109.639,70.04) 111.43,68.25 v1(111.43,62.509) ; v1(110.185,72.212) 115.697,72.212 116.103,72.619 126.289,72.619 126.619,72.949 v2(128.143,72.949)
pads on no net: B1.3 M1.5 M1.6 M1.7 M1.8 M1.9 M1.10 M1.11 M1.13 M1.16 P1.4 P1.6@104.089,54.903 P1.6@104.089,59.753 S1.0 SW1.0 SW2.0 SW3.0 U2.4 U2.5 U2.6 U5.7 U5.8 U7.10 U7.11

## Polygon pours and split planes (outlines as drawn)
GND on Top Layer "Keep-Out Layer-No Net" (solid, remove dead copper, pour order 6): 104.445,81.712 103.708,81.712 97.18,75.184 96.723,74.727 96.723,50.597 102.413,44.907 103.048,44.907 103.048,44.856 103.175,44.729 103.353,44.552 129.489,44.552 136.576,51.638 137.643,51.638 135.839,53.442 135.839,75.311 129.235,81.915 129.235,81.966
GND on Bottom Layer "Keep-Out Layer-No Net" (solid, remove dead copper, pour order 10): 105.156,82.017 99.39,76.251 97.485,76.251 97.079,75.844 97.079,51.232 104.242,44.069 105.943,44.069 127.127,44.069 127.61,43.586 129.743,43.586 136.779,50.622 136.779,75.768 130.302,82.245 128.219,82.245

## Keep-outs
Keep-Out Layer:
  lines w0.254: 127.794,79.777 ccw(c125.5,76.5) 125.5,80.5 107.5,80.5 ccw(c107.5,76.5) 105.206,79.777 99.714,75.532 ccw(c101,74) 99,74 99,52.5 ccw(c101,52.5) 99.714,50.968 105.206,46.723 ccw(c107.5,50) 107.5,46 125.5,46 ccw(c125.5,50) 127.794,46.723 133.286,50.968 ; 127.794,79.777 133.286,75.532 cw(c132,74) 134,74 134,52.5 cw(c132,52.5) 133.147,50.862 ; 107,48 cw(c107,49) 107,50 126,50 cw(c126,49) 126,48 107,48 ; 107,76.5 cw(c107,77.5) 107,78.5 126,78.5 cw(c126,77.5) 126,76.5 107,76.5

## Other copper
Top Layer:
  pour cut-out: 130.987,64.313 ccw(c131.115,64.313) 131.115,64.185 134,64.185 ccw(c134,64.313) 134.127,64.313 134.127,68.351 ccw(c134,68.351) 133.975,68.476 ccw(c133.949,68.351) 133.949,68.479 131.115,68.479 ccw(c131.115,68.351) 130.987,68.351
Bottom Layer:
  pour cut-out: 130.987,64.313 ccw(c131.115,64.313) 131.115,64.185 134,64.185 ccw(c134,64.313) 134.127,64.313 134.127,68.351 ccw(c134,68.351) 133.975,68.476 ccw(c133.949,68.351) 133.949,68.479 131.115,68.479 ccw(c131.115,68.351) 130.987,68.351

## Silkscreen, mask and mechanical layers (free items; w line width, h text height)
Bottom Overlay:
  drawing of 1198 lines, arcs and shapes, not listed
  text "a CXC's" at 112.649,72.009 h1.27
  text "iWatch V1.2" at 126.111,72.009 h1.52
  text "Project" at 112.649,69.977 h1.52
  text "2020.12.07" at 125.984,69.977 h1.52
  text "OFF" at 102.235,66.421 h1.02
  text "ON" at 102.235,63.83 h1.02
  text "BATTERY" at 121.26,62.306 h1.52
  text "z" at 121.323,55.562 h1.02
  text "STC8A8K64S4A12" at 118.598,55.208 h1.02
  text "x" at 123.711,53.683 h1.02
  text "inside" at 118.725,53.634 h1.02
  text "y" at 121.183,52.349 h1.02
  text "- +" at 109.017,50.444 h0.76 r90
Mechanical 1:
  lines w0.254: 127.794,79.777 ccw(c125.5,76.5) 125.5,80.5 107.5,80.5 ccw(c107.5,76.5) 105.206,79.777 99.714,75.532 ccw(c101,74) 99,74 99,52.5 ccw(c101,52.5) 99.714,50.968 105.206,46.723 ccw(c107.5,50) 107.5,46 125.5,46 ccw(c125.5,50) 127.794,46.723 133.286,50.968 ; 127.794,79.777 133.286,75.532 cw(c132,74) 134,74 134,52.5 cw(c132,52.5) 133.147,50.862 ; 107,48 cw(c107,49) 107,50 126,50 cw(c126,49) 126,48 107,48 ; 107,76.5 cw(c107,77.5) 107,78.5 126,78.5 cw(c126,77.5) 126,76.5 107,76.5